# Altium PCB PCB.PcbDoc (part 2 of 2)
Units mil, origin at the board's own origin, x right, y up, seen from the top; angles counter-clockwise.
Board outline 4409.45 x 6259.84 mil, 2 copper layers (Top Layer, Bottom Layer), stack 65.792 mil thick; 158 components, 111 nets, 528 pads, 234 vias.
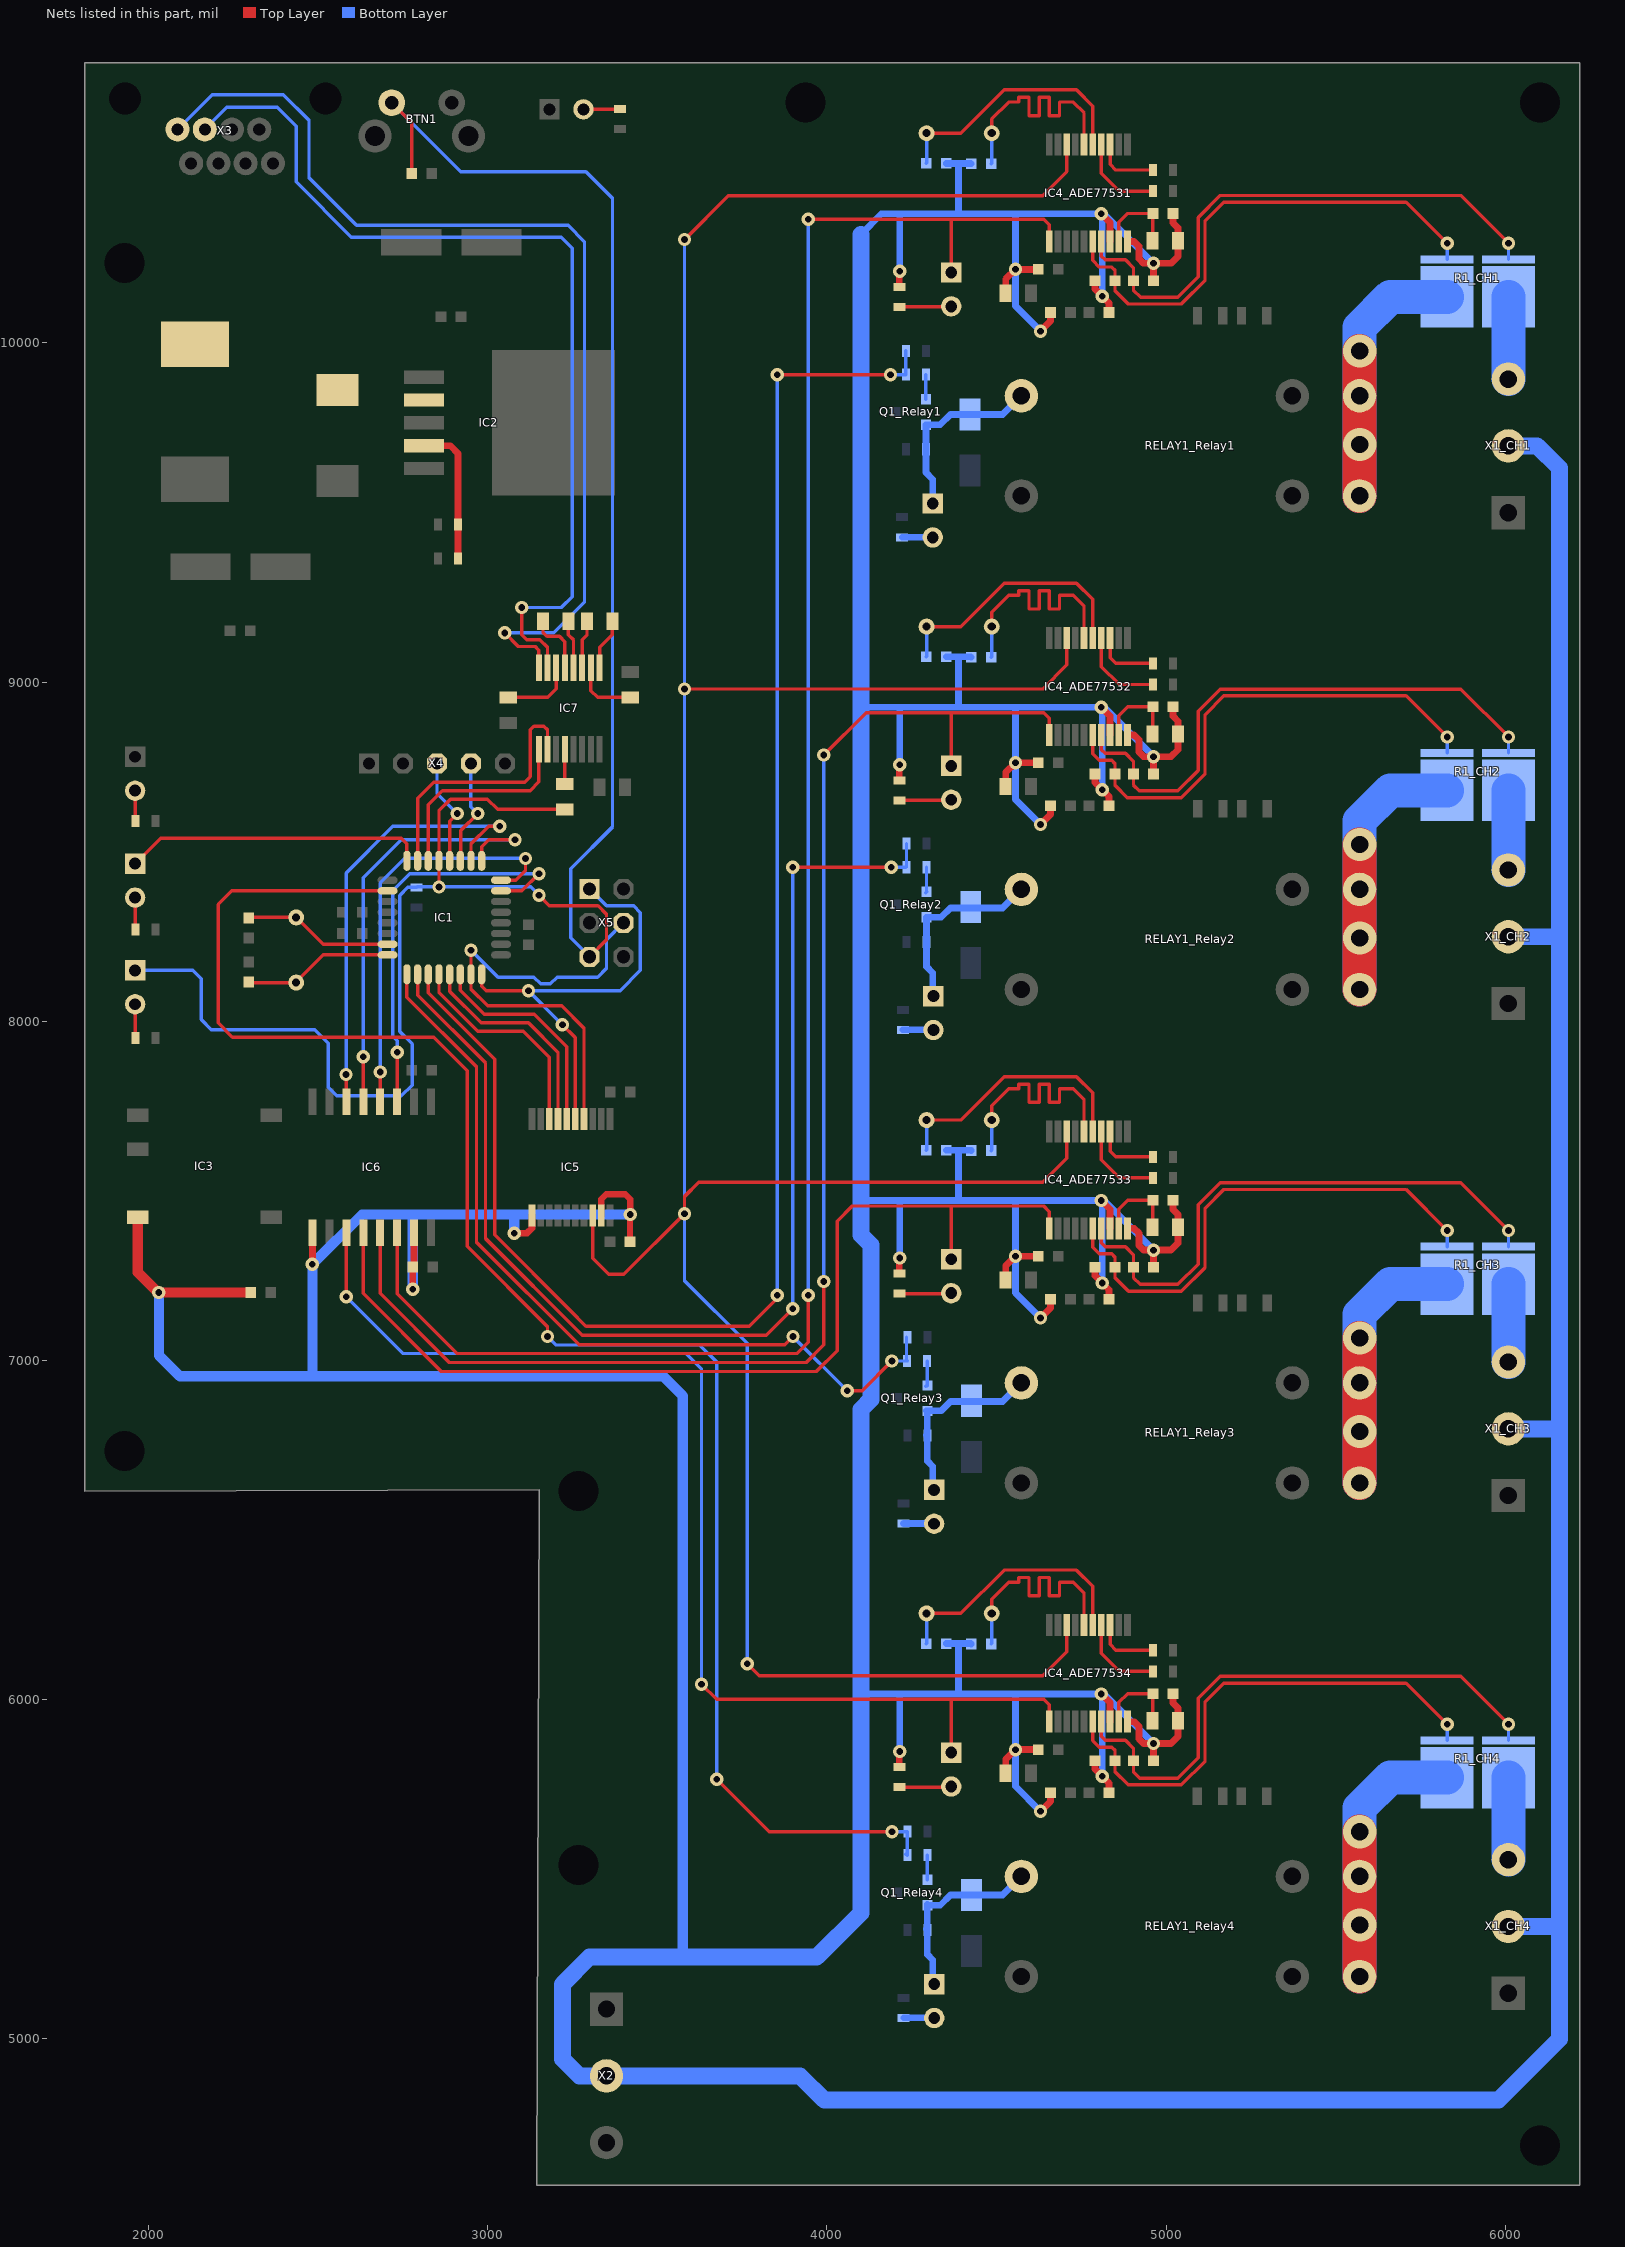
[diagram p2: the nets of this part, all layers, seen from the top]

## Via types
v1: diameter 39.37, hole 19.68, Top Layer to Bottom Layer, 106 vias
v2: diameter 98.43, hole 51.18, Top Layer to Bottom Layer, 75 vias
v3: diameter 39.37, hole 19.68, Top Layer to Bottom Layer, tented both sides, 50 vias
v4: diameter 78.74, hole 39.37, Top Layer to Bottom Layer, 3 vias

## Nets (pads, with @x,y where several pads share a name; then routed paths per layer and width w, separated by ;. In a path a pad name is that pad's centre, name@x,y a point inside that pad or via, vN(x,y) a via of type N, cw(c..) or ccw(c..) an arc to the next point about the centre after c; other vN are vias at no path point) (continued)
MI: IC1.16 IC5.5 X5.1 | length 1318.1
  Top Layer w10: IC1.16@2981.93,8138.37 2981.93,8103.07 2995,8090 v1(3120,8090) ; v1(3220,7990) 3258.02,7951.98 IC5.5@3258.02,7711.94
  Bottom Layer w10: v1(3220,7990) v1(3120,8090) 3390,8090 3450,8150 3450,8320.47 3430.47,8340 3350,8340 X5.1@3300,8390
MO: IC1.15 IC5.4 X5.4 | length 1377.5
  Top Layer w10: v1(2950.43,8209.57) IC1.15@2950.43,8138.37 2950.43,8094.57 3000,8045 3218.02,8045 3283.61,7979.41 IC5.4@3283.61,7711.94
  Bottom Layer w10: v1(2950.43,8209.57) 3030,8130 3135.85,8130 3155.62,8110.24 3184.6,8110.24 3204.36,8130 3323.58,8130 3350,8156.42 3350,8240 X5.4@3400,8290
MSS: IC1.14 IC5.6 | length 642.3
  Top Layer w10: IC1.14@2918.94,8138.37 2918.94,8091.06 2990,8020 3136.83,8020 3232.43,7924.41 IC5.6@3232.43,7711.94
NetC12_ADE77531_1: C12_ADE77531.1 C13_ADE77531.1 IC4_ADE77531.9 | length 248.8
  Top Layer w10: IC4_ADE77531.9@4860.57,10299.28 4860.57,10356.09 4886.47,10382 C12_ADE77531.1@4961.47,10382 4960.6,10381.13 C13_ADE77531.1@4960.6,10302
NetC12_ADE77532_1: C12_ADE77532.1 C13_ADE77532.1 IC4_ADE77532.9 | length 248.8
  Top Layer w10: IC4_ADE77532.9@4860.57,8844.28 4860.57,8901.09 4886.47,8927 C12_ADE77532.1@4961.47,8927 4960.6,8926.13 C13_ADE77532.1@4960.6,8847
NetC12_ADE77533_1: C12_ADE77533.1 C13_ADE77533.1 IC4_ADE77533.9 | length 248.8
  Top Layer w10: IC4_ADE77533.9@4860.57,7389.28 4860.57,7446.09 4886.47,7472 C12_ADE77533.1@4961.47,7472 4960.6,7471.13 C13_ADE77533.1@4960.6,7392
NetC12_ADE77534_1: C12_ADE77534.1 C13_ADE77534.1 IC4_ADE77534.9 | length 248.8
  Top Layer w10: IC4_ADE77534.9@4860.57,5934.28 4860.57,5991.09 4886.47,6017 C12_ADE77534.1@4961.47,6017 4960.6,6016.13 C13_ADE77534.1@4960.6,5937
NetC14_ADE77531_2: C14_ADE77531.2 IC4_ADE77531.15 Z2_ADE77531.2 | length 766.2
  Top Layer w10: Z2_ADE77531.2@4293.94,10618.53 4395,10618.53 4523,10746.53 4736,10746.53 4783.8,10698.73 IC4_ADE77531.15@4783.8,10584.72
  Bottom Layer w10: C14_ADE77531.2@4292.55,10529.61 4293.94,10531 Z2_ADE77531.2@4293.94,10618.53
NetC14_ADE77532_2: C14_ADE77532.2 IC4_ADE77532.15 Z2_ADE77532.2 | length 766.2
  Top Layer w10: Z2_ADE77532.2@4293.94,9163.53 4395,9163.53 4523,9291.53 4736,9291.53 4783.8,9243.73 IC4_ADE77532.15@4783.8,9129.72
  Bottom Layer w10: C14_ADE77532.2@4292.55,9074.61 4293.94,9076 Z2_ADE77532.2@4293.94,9163.53
NetC14_ADE77533_2: C14_ADE77533.2 IC4_ADE77533.15 Z2_ADE77533.2 | length 766.2
  Top Layer w10: Z2_ADE77533.2@4293.94,7708.53 4395,7708.53 4523,7836.53 4736,7836.53 4783.8,7788.73 IC4_ADE77533.15@4783.8,7674.72
  Bottom Layer w10: C14_ADE77533.2@4292.55,7619.61 4293.94,7621 Z2_ADE77533.2@4293.94,7708.53
NetC14_ADE77534_2: C14_ADE77534.2 IC4_ADE77534.15 Z2_ADE77534.2 | length 766.2
  Top Layer w10: Z2_ADE77534.2@4293.94,6253.53 4395,6253.53 4523,6381.53 4736,6381.53 4783.8,6333.73 IC4_ADE77534.15@4783.8,6219.72
  Bottom Layer w10: C14_ADE77534.2@4292.55,6164.61 4293.94,6166 Z2_ADE77534.2@4293.94,6253.53
NetC15_ADE77531_2: C15_ADE77531.2 IC4_ADE77531.16 Z2_ADE77531.1 | length 748.5
  Top Layer w10: Z2_ADE77531.1@4486.06,10618.53 4486.06,10660.59 4536,10710.53 4551,10710.53 4566,10710.53 4566,10724.53 4596,10724.53 4596,10710.53 4596,10670.53 4626,10670.53 4626,10710.53 4626,10724.53 4656,10724.53 4656,10710.53 4656,10670.53 4686,10670.53 4686,10710.53 4703,10710.53 4726,10710.53 4758.2,10678.32 IC4_ADE77531.16@4758.2,10584.72
  Bottom Layer w10: C15_ADE77531.2@4484.53,10528.53 4486.06,10530.06 Z2_ADE77531.1@4486.06,10618.53
NetC15_ADE77532_2: C15_ADE77532.2 IC4_ADE77532.16 Z2_ADE77532.1 | length 748.5
  Top Layer w10: Z2_ADE77532.1@4486.06,9163.53 4486.06,9205.59 4536,9255.53 4551,9255.53 4566,9255.53 4566,9269.53 4596,9269.53 4596,9255.53 4596,9215.53 4626,9215.53 4626,9255.53 4626,9269.53 4656,9269.53 4656,9255.53 4656,9215.53 4686,9215.53 4686,9255.53 4703,9255.53 4726,9255.53 4758.2,9223.32 IC4_ADE77532.16@4758.2,9129.72
  Bottom Layer w10: C15_ADE77532.2@4484.53,9073.53 4486.06,9075.06 Z2_ADE77532.1@4486.06,9163.53
NetC15_ADE77533_2: C15_ADE77533.2 IC4_ADE77533.16 Z2_ADE77533.1 | length 748.5
  Top Layer w10: Z2_ADE77533.1@4486.06,7708.53 4486.06,7750.59 4536,7800.53 4551,7800.53 4566,7800.53 4566,7814.53 4596,7814.53 4596,7800.53 4596,7760.53 4626,7760.53 4626,7800.53 4626,7814.53 4656,7814.53 4656,7800.53 4656,7760.53 4686,7760.53 4686,7800.53 4703,7800.53 4726,7800.53 4758.2,7768.32 IC4_ADE77533.16@4758.2,7674.72
  Bottom Layer w10: C15_ADE77533.2@4484.53,7618.53 4486.06,7620.06 Z2_ADE77533.1@4486.06,7708.53
NetC15_ADE77534_2: C15_ADE77534.2 IC4_ADE77534.16 Z2_ADE77534.1 | length 748.5
  Top Layer w10: Z2_ADE77534.1@4486.06,6253.53 4486.06,6295.59 4536,6345.53 4551,6345.53 4566,6345.53 4566,6359.53 4596,6359.53 4596,6345.53 4596,6305.53 4626,6305.53 4626,6345.53 4626,6359.53 4656,6359.53 4656,6345.53 4656,6305.53 4686,6305.53 4686,6345.53 4703,6345.53 4726,6345.53 4758.2,6313.32 IC4_ADE77534.16@4758.2,6219.72
  Bottom Layer w10: C15_ADE77534.2@4484.53,6163.53 4486.06,6165.06 Z2_ADE77534.1@4486.06,6253.53
NetC26_1: C26.1 IC7.3 | length 142.7
  Top Layer w10: IC7.3@3278.43,9042.3 3278.43,9125.43 3292.65,9139.65 C26.1@3292.65,9179.11
NetC26_2: C26.2 IC7.1 | length 152.5
  Top Layer w10: IC7.1@3329.61,9042.3 3329.61,9102.27 3367.45,9140.1 C26.2@3367.45,9179.11
NetC27_2: C27.2 IC7.2 | length 191.7
  Top Layer w10: IC7.2@3304.02,9042.3 3304.02,8974.98 3324.18,8954.82 C27.2@3420.05,8954.82
NetC28_1: C28.1 IC7.5 | length 185.2
  Top Layer w10: C28.1@3162.65,9179.11 3162.65,9146.82 3174.46,9135 3211.45,9135 3227.25,9119.2 IC7.5@3227.25,9042.3
NetC28_2: C28.2 IC7.4 | length 143.2
  Top Layer w10: C28.2@3237.45,9179.11 3237.45,9139.55 3252.84,9124.16 IC7.4@3252.84,9042.3
NetC30_1: C30.1 IC7.12 | length 102.5
  Top Layer w10: C30.1@3227.25,8699.62 IC7.12@3227.25,8802.14
NetC31_2: C31.2 IC7.6 | length 214.4
  Top Layer w10: C31.2@3060.05,8954.82 3176.54,8954.82 3201.66,8979.94 IC7.6@3201.66,9042.3
NetD1_2: D1.2 R4.1 | length 90
  Top Layer w10: D1.2@1960,8679.8 1960,8590.47 R4.1@1960.47,8590
NetD2_2: D2.2 R5.1 | length 100.2
  Top Layer w10: D2.2@1960,8050 1960,7950.47 R5.1@1960.47,7950
NetD3_2: D3.2 R6.1 | length 94.7
  Top Layer w10: D3.2@1960,8364.53 1960,8270.47 R6.1@1960.47,8270
NetD4_2: D4.2 R9.1 | length 108.2
  Top Layer w10: D4.2@3282.02,10688.98 3389.46,10688.98 R9.1@3390,10689.53
NetD6_ADE77531_2: D6_ADE77531.2 R15_ADE77531.1 | length 153.6
  Top Layer w10: R15_ADE77531.1@4213.47,10106.47 4364.94,10106.47 D6_ADE77531.2@4366.47,10108
NetD6_ADE77532_2: D6_ADE77532.2 R15_ADE77532.1 | length 153.6
  Top Layer w10: R15_ADE77532.1@4213.47,8651.47 4364.94,8651.47 D6_ADE77532.2@4366.47,8653
NetD6_ADE77533_2: D6_ADE77533.2 R15_ADE77533.1 | length 153.6
  Top Layer w10: R15_ADE77533.1@4213.47,7196.47 4364.94,7196.47 D6_ADE77533.2@4366.47,7198
NetD6_ADE77534_2: D6_ADE77534.2 R15_ADE77534.1 | length 153.6
  Top Layer w10: R15_ADE77534.1@4213.47,5741.47 4364.94,5741.47 D6_ADE77534.2@4366.47,5743
NetD7_Relay1_1: D7_Relay1.1 D8_Relay1.2 Q1_Relay1.2 R18_Relay1.1 RELAY1_Relay1.5 | length 557.4
  Bottom Layer w20: D7_Relay1.1@4312.08,9526.64 4312.08,9597.92 4291.92,9618.08 R18_Relay1.1@4291.92,9686.64 4292.08,9686.8 Q1_Relay1.2@4292.08,9759.14 4334.14,9759.14 4364.31,9789.31 D8_Relay1.2@4422.08,9789.31 4518.3,9789.31 RELAY1_Relay1.5@4573.26,9844.28
NetD7_Relay1_2: D7_Relay1.2 R19_Relay1.2 | length 90.2
  Bottom Layer w10: D7_Relay1.2@4311.61,9427.11 D7_Relay1.2@4312.08,9426.64
  Bottom Layer w20: R19_Relay1.2@4222.08,9427.11 D7_Relay1.2@4311.61,9427.11
NetD7_Relay2_1: D7_Relay2.1 D8_Relay2.2 Q1_Relay2.2 R18_Relay2.1 RELAY1_Relay2.5 | length 556.3
  Bottom Layer w20: D7_Relay2.1@4312.08,8071.25 4312.08,8142.53 4293.84,8160.77 R18_Relay2.1@4293.84,8234 4294,8234.16 Q1_Relay2.2@4294,8306.5 4336.89,8306.5 4364.31,8333.93 4518.3,8333.93 RELAY1_Relay2.5@4573.26,8388.89
NetD7_Relay2_2: D7_Relay2.2 R19_Relay2.2 | length 90.2
  Bottom Layer w20: R19_Relay2.2@4224,7974.47 4313.53,7974.47 D7_Relay2.2@4314,7974
NetD7_Relay3_1: D7_Relay3.1 D8_Relay3.2 Q1_Relay3.2 R18_Relay3.1 RELAY1_Relay3.5 | length 555
  Bottom Layer w20: R18_Relay3.1@4293.84,6778.61 R18_Relay3.1@4294,6778.77 ; Q1_Relay3.2@4294,6851.11 4336.89,6851.11 4364.31,6878.54 4518.3,6878.54 RELAY1_Relay3.5@4573.26,6933.5 ; Q1_Relay3.2@4296.13,6850.5 4295.97,6850.34 R18_Relay3.1@4295.97,6778 4295.97,6703.25 4312.08,6687.14 D7_Relay3.1@4312.08,6615.86
NetD7_Relay3_2: D7_Relay3.2 R19_Relay3.2 | length 90.9
  Bottom Layer w20: R19_Relay3.2@4226.13,6518.47 4315.65,6518.47 D7_Relay3.2@4316.13,6518 ; D7_Relay3.2@4313.53,6519.08 D7_Relay3.2@4314,6518.61
NetD7_Relay4_1: D7_Relay4.1 D8_Relay4.2 Q1_Relay4.2 R18_Relay4.1 RELAY1_Relay4.5 | length 553.6
  Bottom Layer w20: R18_Relay4.1@4293.84,5323.22 R18_Relay4.1@4294,5323.38 ; Q1_Relay4.2@4296.13,5395.11 4295.97,5394.95 4295.97,5392.97 4295.97,5247.87 4312.08,5231.76 D7_Relay4.1@4312.08,5160.47 ; Q1_Relay4.2@4296.53,5392.97 4334.14,5392.97 4364.31,5423.15 4518.3,5423.15 RELAY1_Relay4.5@4573.26,5478.11
NetD7_Relay4_2: D7_Relay4.2 R19_Relay4.2 | length 91.5
  Bottom Layer w20: R19_Relay4.2@4226.53,5060.94 4316.06,5060.94 D7_Relay4.2@4316.53,5060.47 ; D7_Relay4.2@4313.53,5063.7 D7_Relay4.2@4314,5063.22 ; D7_Relay4.2@4315.65,5063.08 D7_Relay4.2@4316.13,5062.61
NetIC2_2: IC2.2 L1.1 VD1.C
NetIC2_4: IC2.4 R10.1 R11.2 | length 419.9
  Top Layer w20: IC2.4@2811.48,9697.14 2889.28,9697.14 2911.95,9674.46 2911.95,9464.46 R11.2@2911.95,9364.46
NetIC4_ADE77531_13: IC4_ADE77531.13 R13_ADE77531.1 | length 191.2
  Top Layer w10: IC4_ADE77531.13@4834.98,10584.72 4834.98,10527.02 4852,10510 R13_ADE77531.1@4961.47,10510
NetIC4_ADE77531_14: IC4_ADE77531.14 R14_ADE77531.1 | length 257.9
  Top Layer w10: IC4_ADE77531.14@4809.39,10584.72 4809.39,10500.76 4862.14,10448 R14_ADE77531.1@4961.47,10448
NetIC4_ADE77532_13: IC4_ADE77532.13 R13_ADE77532.1 | length 191.2
  Top Layer w10: IC4_ADE77532.13@4834.98,9129.72 4834.98,9072.02 4852,9055 R13_ADE77532.1@4961.47,9055
NetIC4_ADE77532_14: IC4_ADE77532.14 R14_ADE77532.1 | length 257.9
  Top Layer w10: IC4_ADE77532.14@4809.39,9129.72 4809.39,9045.76 4862.14,8993 R14_ADE77532.1@4961.47,8993
NetIC4_ADE77533_13: IC4_ADE77533.13 R13_ADE77533.1 | length 191.2
  Top Layer w10: IC4_ADE77533.13@4834.98,7674.72 4834.98,7617.02 4852,7600 R13_ADE77533.1@4961.47,7600
NetIC4_ADE77533_14: IC4_ADE77533.14 R14_ADE77533.1 | length 257.9
  Top Layer w10: IC4_ADE77533.14@4809.39,7674.72 4809.39,7590.76 4862.14,7538 R14_ADE77533.1@4961.47,7538
NetIC4_ADE77534_13: IC4_ADE77534.13 R13_ADE77534.1 | length 191.2
  Top Layer w10: IC4_ADE77534.13@4834.98,6219.72 4834.98,6162.02 4852,6145 R13_ADE77534.1@4961.47,6145
NetIC4_ADE77534_14: IC4_ADE77534.14 R14_ADE77534.1 | length 257.9
  Top Layer w10: IC4_ADE77534.14@4809.39,6219.72 4809.39,6135.76 4862.14,6083 R14_ADE77534.1@4961.47,6083
NetQ1_Relay1_1: Q1_Relay1.1 R16_Relay1.1 | length 72.7
  Bottom Layer w10: R16_Relay1.1@4291.61,9906.64 4291.61,9834.61 Q1_Relay1.1@4292.08,9834.14
NetQ1_Relay2_1: Q1_Relay2.1 R16_Relay2.1 | length 73.4
  Bottom Layer w10: Q1_Relay2.1@4291.61,8379.22 Q1_Relay2.1@4292.08,8378.75 ; R16_Relay2.1@4293.53,8454 4293.53,8381.97 Q1_Relay2.1@4294,8381.5
NetQ1_Relay3_1: Q1_Relay3.1 R16_Relay3.1 | length 74
  Bottom Layer w10: Q1_Relay3.1@4291.61,6923.83 Q1_Relay3.1@4292.08,6923.36 ; Q1_Relay3.1@4293.53,6926.58 Q1_Relay3.1@4294,6926.11 ; R16_Relay3.1@4295.65,6998 4295.65,6925.97 Q1_Relay3.1@4296.13,6925.5
NetQ1_Relay4_1: Q1_Relay4.1 R16_Relay4.1 | length 72.7
  Bottom Layer w10: R16_Relay4.1@4296.06,5540.47 4296.06,5468.44 Q1_Relay4.1@4296.53,5467.97
NetR1_CH1_1: R1_CH1.1 RELAY1_Relay1.1 RELAY1_Relay1.2 | length 1219.7
  Top Layer w100: RELAY1_Relay1.2@5570.9,9549 v2(5570.9,9700.81) RELAY1_Relay1.1@5570.9,9844.28 v2(5570.9,9976.4)
  Bottom Layer w100: RELAY1_Relay1.2@5570.9,9549 RELAY1_Relay1.1@5570.9,9844.28 5570.9,10045.9 5661.17,10136.17 R1_CH1.1@5828.9,10136.17
NetR1_CH1_2: R1_CH1.2 X1_CH1.3 | length 242.9
  Bottom Layer w50: X1_CH1.3@6009.45,9893.49 X1_CH1.3@6010,9894.04
  Bottom Layer w100: X1_CH1.3@6010,9894.04 R1_CH1.2@6010,10136.17
NetR1_CH2_1: R1_CH2.1 RELAY1_Relay2.1 RELAY1_Relay2.2 | length 1219.7
  Top Layer w100: RELAY1_Relay2.2@5570.9,8093.61 v2(5570.9,8245.42) RELAY1_Relay2.1@5570.9,8388.89 v2(5570.9,8521.01)
  Bottom Layer w100: RELAY1_Relay2.2@5570.9,8093.61 RELAY1_Relay2.1@5570.9,8388.89 5570.9,8590.51 5661.17,8680.78 R1_CH2.1@5828.9,8680.78
NetR1_CH2_2: R1_CH2.2 X1_CH2.3 | length 234.9
  Bottom Layer w100: X1_CH2.3@6009.45,8445.85 6010,8446.4 R1_CH2.2@6010,8680.53
NetR1_CH3_1: R1_CH3.1 RELAY1_Relay3.1 RELAY1_Relay3.2 | length 1219.7
  Top Layer w100: RELAY1_Relay3.2@5570.9,6638.22 v2(5570.9,6790.03) RELAY1_Relay3.1@5570.9,6933.5 v2(5570.9,7065.62)
  Bottom Layer w100: RELAY1_Relay3.2@5570.9,6638.22 RELAY1_Relay3.1@5570.9,6933.5 5570.9,7135.12 5661.17,7225.4 R1_CH3.1@5828.9,7225.4
NetR1_CH3_2: R1_CH3.2 X1_CH3.3 | length 230.3
  Bottom Layer w100: X1_CH3.3@6009.45,6994.85 6010,6995.4 R1_CH3.2@6010,7224.89
NetR1_CH4_1: R1_CH4.1 RELAY1_Relay4.1 RELAY1_Relay4.2 | length 1219.7
  Top Layer w100: RELAY1_Relay4.2@5570.9,5182.83 v2(5570.9,5334.65) RELAY1_Relay4.1@5570.9,5478.11 v2(5570.9,5610.24)
  Bottom Layer w100: RELAY1_Relay4.2@5570.9,5182.83 v2(5570.9,5334.65) RELAY1_Relay4.1@5570.9,5478.11 v2(5570.9,5610.24) 5570.9,5679.73 5661.17,5770.01 R1_CH4.1@5828.9,5770.01
NetR1_CH4_2: R1_CH4.2 X1_CH4.3 | length 242.2
  Bottom Layer w100: X1_CH4.3@6009.45,5527.32 6010,5527.87 R1_CH4.2@6010,5769.25
PGND: C11.1 C12_ADE77531.2 C12_ADE77532.2 C12_ADE77533.2 C12_ADE77534.2 C13_ADE77531.2 C13_ADE77532.2 C13_ADE77533.2 C13_ADE77534.2 C14_ADE77531.1 C14_ADE77532.1 C14_ADE77533.1 C14_ADE77534.1 C15_ADE77531.1 C15_ADE77532.1 C15_ADE77533.1 C15_ADE77534.1 C16_ADE77531.1 C16_ADE77532.1 C16_ADE77533.1 C16_ADE77534.1 C17_ADE77531.1 C17_ADE77532.1 C17_ADE77533.1 C17_ADE77534.1 C18_ADE77531.1 C18_ADE77532.1 C18_ADE77533.1 C18_ADE77534.1 C19_ADE77531.1 C19_ADE77532.1 C19_ADE77533.1 C19_ADE77534.1 C20_ADE77531.1 C20_ADE77532.1 C20_ADE77533.1 C20_ADE77534.1 C21_ADE77531.1 C21_ADE77532.1 C21_ADE77533.1 C21_ADE77534.1 C22.1 C25.1 IC3.4 IC4_ADE77531.8 IC4_ADE77531.10 IC4_ADE77532.8 IC4_ADE77532.10 IC4_ADE77533.8 IC4_ADE77533.10 IC4_ADE77534.8 IC4_ADE77534.10 IC5.11 IC5.19 IC6.9 IC6.15 R15_ADE77531.2 R15_ADE77532.2 R15_ADE77533.2 R15_ADE77534.2 X1_CH1.2 X1_CH2.2 X1_CH3.2 X1_CH4.2 X2.2 | length 31884.5
  Top Layer w19: IC5.19@3334.79,7426.5 3334.79,7474.79 3349.53,7489.53 3405.47,7489.53 3420.22,7474.78 v1(3420.22,7430) 3419.22,7429 C22.1@3419.22,7349.22
  Top Layer w20: v1(2482.69,7283.23) IC6.9@2482.69,7376.22 ; v1(2778.47,7210) C25.1@2778.47,7275 2782.69,7279.22 IC6.15@2782.69,7376.22 ; v1(3078.02,7375) 3115.68,7375 3130.06,7389.38 IC5.11@3130.06,7426.5 ; R15_ADE77534.2@4213.47,5800.53 4213.47,5845 v1(4215,5846.53) ; R15_ADE77533.2@4213.47,7255.53 4213.47,7300 v1(4215,7301.53) ; R15_ADE77532.2@4213.47,8710.53 4213.47,8755 v1(4215,8756.53) ; R15_ADE77531.2@4213.47,10165.53 4213.47,10210 v1(4215,10211.53) ; C16_ADE77534.1@4527.07,5782 4527.07,5823.07 v1(4556,5852) C17_ADE77534.1@4622.94,5852 ; C16_ADE77533.1@4527.07,7237 4527.07,7278.07 v3(4556,7307) C17_ADE77533.1@4622.94,7307 ; C16_ADE77532.1@4527.07,8692 4527.07,8733.07 v3(4556,8762) C17_ADE77532.1@4622.94,8762 ; C16_ADE77531.1@4527.07,10147 4527.07,10188.07 v3(4556,10217) C17_ADE77531.1@4622.94,10217 ; v3(4630,5670) 4659.47,5699.47 C21_ADE77534.1@4659.47,5725 ; v3(4630,7125) 4659.47,7154.47 C21_ADE77533.1@4659.47,7180 ; v3(4630,8580) 4659.47,8609.47 C21_ADE77532.1@4659.47,8635 ; v3(4630,10035) 4659.47,10064.47 C21_ADE77531.1@4659.47,10090 ; C19_ADE77534.1@4790.47,5819 4790.47,5794.53 v3(4812,5773) 4832,5753 C20_ADE77534.1@4832,5725 ; C19_ADE77533.1@4790.47,7274 4790.47,7249.53 v3(4812,7228) 4832,7208 C20_ADE77533.1@4832,7180 ; C19_ADE77532.1@4790.47,8729 4790.47,8704.53 v3(4812,8683) 4832,8663 C20_ADE77532.1@4832,8635 ; C19_ADE77531.1@4790.47,10184 4790.47,10159.53 v3(4812,10138) 4832,10118 C20_ADE77531.1@4832,10090 ; v1(4809.39,6016.13) 4834.98,5990.54 IC4_ADE77534.8@4834.98,5934.28 ; v1(4809.39,7471.13) 4834.98,7445.54 IC4_ADE77533.8@4834.98,7389.28 ; v1(4809.39,8926.13) 4834.98,8900.54 IC4_ADE77532.8@4834.98,8844.28 ; v1(4809.39,10381.13) 4834.98,10355.54 IC4_ADE77531.8@4834.98,10299.28 ; IC4_ADE77534.10@4886.16,5934.28 4905.72,5934.28 4920,5920 4920,5883.68 4933.68,5870 v1(4963,5870) ; IC4_ADE77533.10@4886.16,7389.28 4905.72,7389.28 4920,7375 4920,7338.68 4933.68,7325 v1(4963,7325) ; IC4_ADE77532.10@4886.16,8844.28 4905.72,8844.28 4920,8830 4920,8793.68 4933.68,8780 v1(4963,8780) ; IC4_ADE77531.10@4886.16,10299.28 4905.72,10299.28 4920,10285 4920,10248.68 4933.68,10235 v1(4963,10235) ; C18_ADE77534.1@4963,5819 v1(4963,5870) ; C18_ADE77533.1@4963,7274 v1(4963,7325) ; C18_ADE77532.1@4963,8729 v1(4963,8780) ; C18_ADE77531.1@4963,10184 v1(4963,10235) ; C12_ADE77534.2@5020.53,6017 5020.53,5989.47 5035.4,5974.6 C13_ADE77534.2@5035.4,5937 5035.4,5890.4 5015,5870 v1(4963,5870) ; C12_ADE77533.2@5020.53,7472 5020.53,7444.47 5035.4,7429.6 C13_ADE77533.2@5035.4,7392 5035.4,7345.4 5015,7325 v1(4963,7325) ; C12_ADE77532.2@5020.53,8927 5020.53,8899.47 5035.4,8884.6 C13_ADE77532.2@5035.4,8847 5035.4,8800.4 5015,8780 v1(4963,8780) ; C12_ADE77531.2@5020.53,10382 5020.53,10354.47 5035.4,10339.6 C13_ADE77531.2@5035.4,10302 5035.4,10255.4 5015,10235 v1(4963,10235)
  Top Layer w30: IC3.4@1967.67,7422.22 1967.67,7259.59 2027.04,7200.22 2282.99,7200.22
  Bottom Layer w20: 4087.61,7471.13 4100.53,7471.13 4215,7471.13 ; 4087.61,8926.13 4100.53,8926.13 4215,8926.13 ; 4100,6015 4101.13,6016.13 4215,6016.13 ; 4100,10320 4100.53,10320.53 4161.13,10381.13 4215,10381.13 ; v1(4215,5846.53) 4215,6016.13 ; v1(4215,7301.53) 4215,7471.13 ; v1(4215,8756.53) 4215,8926.13 ; v1(4215,10211.53) 4215,10381.13 ; C14_ADE77534.1@4351.61,6164.61 4388,6164.61 ; C14_ADE77533.1@4351.61,7619.61 4388,7619.61 ; C14_ADE77532.1@4351.61,9074.61 4388,9074.61 ; C14_ADE77531.1@4351.61,10529.61 4388,10529.61 ; C15_ADE77534.1@4425.47,6163.53 4424.39,6164.61 4388,6164.61 ; C15_ADE77533.1@4425.47,7618.53 4424.39,7619.61 4388,7619.61 ; C15_ADE77532.1@4425.47,9073.53 4424.39,9074.61 4388,9074.61 ; C15_ADE77531.1@4425.47,10528.53 4424.39,10529.61 4388,10529.61 ; v3(4630,5670) 4556,5744 v1(4556,5852) 4556,6016.13 ; v3(4630,7125) 4556,7199 v3(4556,7307) 4556,7471.13 ; v3(4630,8580) 4556,8654 v3(4556,8762) 4556,8926.13 ; v3(4630,10035) 4556,10109 v3(4556,10217) 4556,10381.13 ; v3(4812,5773) 4812,6013.51 v1(4809.39,6016.13) ; v3(4812,7228) 4812,7468.51 v1(4809.39,7471.13) ; v3(4812,8683) 4812,8923.51 v1(4809.39,8926.13) ; v3(4812,10138) 4812,10378.51 v1(4809.39,10381.13) ; v1(4963,5870) 4816.87,6016.13 v1(4809.39,6016.13) ; v1(4963,7325) 4816.87,7471.13 v1(4809.39,7471.13) ; v1(4963,8780) 4816.87,8926.13 v1(4809.39,8926.13) ; v1(4963,10235) 4816.87,10381.13 v1(4809.39,10381.13) ; 4215,6016.13 4388,6016.13 ; 4215,7471.13 4388,7471.13 ; 4215,8926.13 4388,8926.13 ; 4215,10381.13 4388,10381.13 ; 4388,6016.13 4388,6164.61 ; 4388,6016.13 4556,6016.13 ; 4388,7471.13 4388,7619.61 ; 4388,7471.13 4556,7471.13 ; 4388,8926.13 4388,9074.61 ; 4388,8926.13 4556,8926.13 ; 4388,10381.13 4556,10381.13 ; 4388,10381.13 4388,10529.61 ; 4556,6016.13 v1(4809.39,6016.13) ; 4556,7471.13 v1(4809.39,7471.13) ; 4556,8926.13 v1(4809.39,8926.13) ; 4556,10381.13 v1(4809.39,10381.13)
  Bottom Layer w30: v1(2030,7200) 2030,7015 2092.02,6952.98 2482.69,6952.98 ; v1(2778.47,7210) 2778.47,7428.47 2780,7430 ; v1(3078.02,7375) 3078.02,7428.02 3080,7430 ; v1(3420.22,7430) 3080,7430 ; 3575,5240 3575,6895 3517.02,6952.98 2482.69,6952.98 ; 2482.69,6952.98 v1(2482.69,7283.23) 2629.46,7430 2780,7430 ; 2780,7430 3080,7430
  Bottom Layer w50: 3920,4890 X2.2@3350,4890 3270,4890 3220,4940 3220,5160 3300,5240 3575,5240 3970,5240 4100,5370 4100,6015 4100,6855 4130,6885 4130,7340.53 4100.53,7370 4100.53,7471.13 4100.53,8926.13 4100.53,10320.53 ; 3921,4890 3992.1,4818.9 5980.3,4818.9 6160,4998.6 6160,5325 ; X1_CH4.2@6009.45,5330.47 6154.53,5330.47 6160,5325 ; X1_CH3.2@6009.45,6798 6157,6798 6160,6795 ; X1_CH2.2@6009.45,8249 6156,8249 6160,8245 ; X1_CH1.2@6009.45,9696.64 6094.7,9696.64 6160,9631.34 6160,8245 ; 6160,5325 6160,6795 ; 6160,6795 6160,8245
REL1: IC1.11 R16_Relay1.2 R17_Relay1.1 | length 4987.3
  Top Layer w10: IC1.11@2824.45,8138.37 2824.45,8083.46 3020,7887.91 3020,7370.32 3243.5,7146.81 3289.45,7100.86 3770.86,7100.86 v1@3850,7180 ; v1(3853.55,9906.64) v3(4187.64,9906.64)
  Bottom Layer w10: v1(3853.55,7192.26) v1(3853.55,9906.64) v1@3853.55,9906.95 ; v3(4187.64,9906.64) R16_Relay1.2@4232.55,9906.64 4232.87,9906.95 R17_Relay1.1@4232.87,9976.64
REL2: IC1.10 R16_Relay2.2 R17_Relay2.1 | length 3624.8
  Top Layer w10: IC1.10@2792.95,8138.37 2792.95,8077.05 2993.19,7876.81 2993.19,7359.21 3278.35,7074.05 3820.98,7074.05 v1(3899.14,7152.21) ; v1(3899.14,8454) v1(4189.56,8454)
  Bottom Layer w10: v1(3899.14,7152.21) v1(3899.14,8454) ; v1(4189.56,8454) 4232.87,8454 4234.79,8455.92 R17_Relay2.1@4234.79,8524
REL3: IC1.9 R16_Relay3.2 R17_Relay3.1 | length 2454.3
  Top Layer w10: IC1.9@2761.46,8138.37 2761.46,8071.06 2966.69,7865.83 2966.69,7348.23 3269.06,7045.86 3875.86,7045.86 v1(3900,7070) ; v1(4060,6910) 4103.69,6910 v1(4191.69,6998)
  Bottom Layer w10: v1(3900,7070) v1(4060,6910) ; v1(4191.69,6998) R16_Relay3.2@4236.6,6998 R16_Relay3.2@4236.91,6998.31 ; R16_Relay3.2@4232.87,6998.61 4234.79,7000.53 R17_Relay3.1@4234.79,7068.61
REL4: IC1.2 R16_Relay4.2 R17_Relay4.1 | length 4996.2
  Top Layer w10: IC1.2@2704.37,8384.43 2245.19,8384.43 2205,8344.24 2205,7995 2247,7953 2840.7,7953 2939.24,7854.46 2939.24,7336.41 3176.07,7099.58 v1(3176.07,7070) ; v1(3675,5765) 3829.84,5610.16 v1(4192.09,5610.16)
  Bottom Layer w10: v1@3176.44,7070.37 3201.81,7045 3625,7045 3675,6995 v1(3675,5765) ; v1(4192.09,5610.16) R17_Relay4.1@4237,5610.16 ; R16_Relay4.2@4232.87,5543.22 4237.31,5547.67 R17_Relay4.1@4237.31,5610.47 ; R16_Relay4.2@4236.6,5542.61 R16_Relay4.2@4236.91,5542.93 ; R16_Relay4.2@4237,5540.47 R16_Relay4.2@4237.31,5540.79
RES1: IC1.23 IC6.3 | length 1212.7
  Top Layer w10: IC6.3@2732.69,7762.05 v1(2732.69,7908.17) ; IC1.23@3039.02,8384.43 3100.63,8384.43 v1(3151,8434.8)
  Bottom Layer w10: v1(2732.69,7908.17) 2732.69,7942.31 2720,7955 2720,8385 2769.8,8434.8 v1(3151,8434.8)
RES2: IC1.24 IC6.4 | length 1223.5
  Top Layer w10: IC6.4@2682.69,7762.05 v1(2682.69,7850) ; IC1.24@3039.02,8415.93 3082.93,8415.93 3111,8444 v1(3111,8480)
  Bottom Layer w10: v1(2682.69,7850) 2682.69,8407.69 2755,8480 v1(3111,8480)
RES3: IC1.25 IC6.5 | length 1302.4
  Top Layer w10: IC6.5@2632.69,7762.05 2633,7762.35 v1(2633,7895) ; IC1.25@2981.93,8473.02 2981.93,8513.88 3003.05,8535 v1(3080,8535)
  Bottom Layer w10: v1(2633,7895) 2633,8422.39 2632.69,8422.69 2745,8535 v1(3080,8535)
RES4: IC1.26 IC6.6 | length 1341.4
  Top Layer w10: v1(2582,7843) 2582,7762.74 IC6.6@2582.69,7762.05 ; IC1.26@2950.43,8473.02 2950.43,8522.8 3002.64,8575 v1(3035,8575)
  Bottom Layer w10: v1(2582,7843) 2582,8437 2720,8575 v1(3035,8575)
RESET: BTN1.2 C4.2 C30.2 D2.1 IC1.29 R7.2 X5.5 | length 6439.6
  Top Layer w10: BTN1.2@2716.54,10708.66 2775.47,10649.72 C4.2@2775.47,10500 ; v1(2855.94,8395.94) IC1.29@2855.94,8473.02 2855.94,8620.94 2890,8655 2998.5,8655 3028.69,8624.82 C30.2@3227.25,8624.82 ; v1(3151,8371) 3181,8341 3325,8341 3350,8316 3350,8240 X5.5@3300,8190
  Bottom Layer w10: D2.1@1960,8150 2130,8150 2155,8125 2155,8005 2185,7975 2490,7975 2530,7935 2530,7805 2555,7780 2745,7780 2776.68,7811.68 2776.68,7932.85 2739.89,7969.63 2739.89,8370.7 2763.72,8394.53 R7.2@2790,8394.53 2791.42,8395.94 v1(2855.94,8395.94) 3126.06,8395.94 v1(3151,8371) ; BTN1.2@2716.54,10708.66 2919.7,10505.5 3289.51,10505.5 3367.75,10427.25 3367.75,8572.75 3244,8449 3244,8246 X5.5@3300,8190
RESET1: D6_ADE77531.1 IC4_ADE77531.1 IC6.14 | length 5714.3
  Top Layer w10: IC6.14@2732.69,7376.22 2732.69,7196.81 2909.51,7020 3911.53,7020 3945,7053.47 v1(3945,7192.26) ; v1(3945,10365) 4366.47,10365 ; D6_ADE77531.1@4366.47,10208 4366.47,10365 ; IC4_ADE77531.1@4655.84,10299.28 4655.84,10348.69 4639.53,10365 4366.47,10365
  Bottom Layer w10: v1(3945,7192.26) v1(3945,10365)
RESET2: D6_ADE77532.1 IC4_ADE77532.1 IC6.13 | length 4262.2
  Top Layer w10: IC6.13@2682.69,7376.22 2682.69,7197.31 2886.5,6993.5 3938.5,6993.5 3990.86,7045.86 v1(3990.86,7232.3) ; v1(3990.86,8785) 4115.86,8910 4366.47,8910 ; D6_ADE77532.1@4366.47,8753 4366.47,8910 ; IC4_ADE77532.1@4655.84,8844.28 4655.84,8893.69 4639.53,8910 4366.47,8910
  Bottom Layer w10: v1(3990.86,7232.3) v1(3990.86,8785)
RESET3: D6_ADE77533.1 IC4_ADE77533.1 IC6.12 | length 2936.2
  Top Layer w10: IC6.12@2632.69,7376.22 2632.69,7197.31 2863.01,6966.99 3968.5,6966.99 4030,7028.5 4030,7410 4075,7455 4366.47,7455 ; D6_ADE77533.1@4366.47,7298 4366.47,7455 ; IC4_ADE77533.1@4655.84,7389.28 4655.84,7438.69 4639.53,7455 4366.47,7455
RESET4: D6_ADE77534.1 IC4_ADE77534.1 IC6.11 | length 3511.6
  Top Layer w10: v1(2582.69,7187.61) IC6.11@2582.69,7376.22 ; v1(3630,6045) 3675,6000 4366.47,6000 ; D6_ADE77534.1@4366.47,5843 4366.47,6000 ; IC4_ADE77534.1@4655.84,5934.28 4655.84,5983.69 4639.53,6000 4366.47,6000
  Bottom Layer w10: v1(2582.69,7187.61) 2750.31,7020 3585,7020 3630,6975 v1(3630,6045)
ROUT: IC1.30 IC7.9 | length 615.7
  Top Layer w10: IC1.30@2824.45,8473.02 2824.45,8638.15 2866.3,8680 3125,8680 3150.48,8705.48 IC7.9@3150.48,8802.14
RX: IC7.8 X3.1 | length 3030.9
  Top Layer w10: v1(3050,9145) 3090,9105 3140,9105 3150.48,9094.52 IC7.8@3150.48,9042.3
  Bottom Layer w10: X3.1@2085.04,10629.92 2187.61,10732.49 2396.65,10732.49 2472.72,10656.41 2472.72,10487.28 2612.81,10347.19 3236.7,10347.19 3285,10298.9 3285,9235 3195,9145 v1(3050,9145)
SCL: IC1.28 X4.3 | length 316.2
  Top Layer w10: IC1.28@2887.44,8473.02 2887.44,8589.8 v1(2910,8612.36)
  Bottom Layer w10: X4.3@2850,8755 2850,8672.36 v1(2910,8612.36)
SCLK: IC4_ADE77531.18 IC4_ADE77532.18 IC4_ADE77533.18 IC4_ADE77534.18 IC5.18 | length 9659.6
  Top Layer w10: IC5.18@3309.2,7426.5 3309.2,7300.97 3356.35,7253.82 3401.29,7253.82 v1(3580,7432.52) 3580,7483 3621.53,7524.53 4636,7524.53 4707.02,7595.55 IC4_ADE77533.18@4707.02,7674.72 ; v1(3580,8979.53) 4636,8979.53 4707.02,9050.55 IC4_ADE77532.18@4707.02,9129.72 ; v1(3580,10305) 3709.53,10434.53 4636,10434.53 4707.02,10505.55 IC4_ADE77531.18@4707.02,10584.72 ; v1@3765.24,6104.76 3800.47,6069.53 4636,6069.53 4707.02,6140.55 IC4_ADE77534.18@4707.02,6219.72
  Bottom Layer w10: v1(3580,10305) v1(3580,8979.53) v1(3580,7432.52) 3580,7235 3765,7050 v1(3765,6105)
SDA: IC1.27 X4.4 | length 311.4
  Top Layer w10: IC1.27@2918.94,8473.02 2920,8474.08 2920,8562.36 v1(2970,8612.36)
  Bottom Layer w10: X4.4@2950,8755 2950,8632.36 v1(2970,8612.36)
SS0: IC1.13 IC5.7 | length 640.7
  Top Layer w10: IC1.13@2887.44,8138.37 2887.44,8087.56 2980,7995 3120,7995 3206.83,7908.17 IC5.7@3206.83,7711.94
SS1: IC1.12 IC5.8 | length 639.8
  Top Layer w10: IC1.12@2855.94,8138.37 2855.94,8084.86 2970.8,7970 3105,7970 3181.24,7893.76 IC5.8@3181.24,7711.94
STATUS: D3.1 IC1.32 | length 890.1
  Top Layer w10: D3.1@1960,8464.53 2035.47,8540 2745,8540 2761.46,8523.54 IC1.32@2761.46,8473.02
TIN: IC1.31 IC7.10 | length 797.3
  Top Layer w10: IC1.31@2792.95,8473.02 2792.95,8657.2 2840.75,8705 3108.47,8705 3125,8721.53 3125,8858.93 3136.07,8870 3165,8870 3176.07,8858.93 IC7.10@3176.07,8802.14
TX: IC7.7 X3.3 | length 2799.8
  Top Layer w10: v1(3100,9220) 3100,9140.1 3115.1,9125 3153.31,9125 3176.07,9102.24 IC7.7@3176.07,9042.3
  Bottom Layer w10: X3.3@2165.35,10629.92 2230.43,10695 2378.66,10695 2435,10638.66 2435,10475 2597.81,10312.19 3216.17,10312.19 3248.99,10279.37 3248.99,9252.12 3216.87,9220 v1(3100,9220)
V2N_ADE77531: C19_ADE77531.2 IC4_ADE77531.6 R1_CH1.3 | length 1514.2
  Top Layer w10: IC4_ADE77531.6@4783.8,10299.28 4783.8,10243.68 4803.47,10224 4840.04,10224 4849.53,10214.51 C19_ADE77531.2@4849.53,10184 4849.53,10153.47 4888,10115 5045,10115 5115,10185 5115,10360 5170,10415 5707.8,10415 v1(5828.9,10293.9)
  Bottom Layer w10: R1_CH1.3@5828.9,10246.41 v1(5828.9,10293.9)
V2N_ADE77532: C19_ADE77532.2 IC4_ADE77532.6 R1_CH2.3 | length 1516.2
  Top Layer w10: IC4_ADE77532.6@4783.8,8844.28 4783.8,8788.68 4803.47,8769 4840.04,8769 4849.53,8759.51 C19_ADE77532.2@4849.53,8729 4849.53,8695.47 4885.64,8659.36 5045,8659.36 5115,8729.36 5115,8904.36 5170,8959.36 5707.8,8959.36 v1(5828.9,8838.26)
  Bottom Layer w10: R1_CH2.3@5828.9,8790.77 v1(5828.9,8838.26)
V2N_ADE77533: C19_ADE77533.2 IC4_ADE77533.6 R1_CH3.3 | length 1514.7
  Top Layer w10: IC4_ADE77533.6@4783.8,7389.28 4783.8,7333.68 4803.47,7314 4840.04,7314 4849.53,7304.51 C19_ADE77533.2@4849.53,7274 4849.53,7243.47 4889.28,7203.72 5045,7203.72 5115,7273.72 5115,7448.72 5170,7503.72 5707.8,7503.72 v1(5828.9,7382.62)
  Bottom Layer w10: R1_CH3.3@5828.9,7335.13 v1(5828.9,7382.62)
V2N_ADE77534: C19_ADE77534.2 IC4_ADE77534.6 R1_CH4.3 | length 1516.1
  Top Layer w10: IC4_ADE77534.6@4783.8,5934.28 4783.8,5878.68 4803.47,5859 4840.04,5859 4849.53,5849.51 C19_ADE77534.2@4849.53,5819 4849.53,5786.58 4888.03,5748.08 5045,5748.08 5115,5818.08 5115,5993.08 5170,6048.08 5707.8,6048.08 v1(5828.9,5926.98)
  Bottom Layer w10: R1_CH4.3@5828.9,5879.49 v1(5828.9,5926.98)
V2P_ADE77531: C18_ADE77531.2 IC4_ADE77531.7 R1_CH1.4 | length 1665
  Top Layer w10: IC4_ADE77531.7@4809.39,10299.28 4809.39,10256.09 4820.47,10245 4880.47,10245 4903.94,10221.53 C18_ADE77531.2@4903.94,10184 4903.94,10156.06 4925,10135 5035,10135 5095,10195 5095,10370 5160,10435 5868.9,10435 v1(6010,10293.9)
  Bottom Layer w10: R1_CH1.4@6010,10246.41 v1(6010,10293.9)
V2P_ADE77532: C18_ADE77532.2 IC4_ADE77532.7 R1_CH2.4 | length 1667.9
  Top Layer w10: IC4_ADE77532.7@4809.39,8844.28 4809.39,8801.09 4820.47,8790 4880.47,8790 4903.94,8766.53 C18_ADE77532.2@4903.94,8729 4903.94,8696.58 4921.17,8679.36 5035,8679.36 5095,8739.36 5095,8914.36 5160,8979.36 5868.9,8979.36 v1(6010,8838.26)
  Bottom Layer w10: R1_CH2.4@6010,8790.77 v1(6010,8838.26)
V2P_ADE77533: C18_ADE77533.2 IC4_ADE77533.7 R1_CH3.4 | length 1666.7
  Top Layer w10: IC4_ADE77533.7@4809.39,7389.28 4809.39,7346.09 4820.47,7335 4880.47,7335 4903.94,7311.53 C18_ADE77533.2@4903.94,7274 4903.94,7244.06 4924.28,7223.72 5035,7223.72 5095,7283.72 5095,7458.72 5160,7523.72 5868.9,7523.72 v1(6010,7382.62)
  Bottom Layer w10: R1_CH3.4@6010,7335.13 v1(6010,7382.62)
V2P_ADE77534: C18_ADE77534.2 IC4_ADE77534.7 R1_CH4.4 | length 1668.4
  Top Layer w10: IC4_ADE77534.7@4809.39,5934.28 4809.39,5891.09 4820.47,5880 4880.47,5880 4903.94,5856.53 C18_ADE77534.2@4903.94,5819 4903.94,5786.58 4922.45,5768.08 5035,5768.08 5095,5828.08 5095,6003.08 5160,6068.08 5868.9,6068.08 v1(6010,5926.98)
  Bottom Layer w10: R1_CH4.4@6010,5879.49 v1(6010,5926.98)
XTAL1: C5.1 IC1.7 Z1.2 | length 442.8
  Top Layer w10: C5.1@2295,8304.53 2296.54,8306.06 Z1.2@2435,8306.06 2514.11,8226.95 IC1.7@2704.37,8226.95
XTAL2: C6.1 IC1.8 Z1.1 | length 442.8
  Top Layer w10: C6.1@2295,8115.47 2296.54,8113.94 Z1.1@2435,8113.94 ; Z1.1@2435,8116.35 2514.11,8195.46 IC1.8@2704.37,8195.46
pads on no net: BTN1.0 IC1.1 IC1.19 IC1.20 IC1.22 IC3.8 IC4_ADE77531.11 IC4_ADE77531.12 IC4_ADE77532.11 IC4_ADE77532.12 IC4_ADE77533.11 IC4_ADE77533.12 IC4_ADE77534.11 IC4_ADE77534.12 IC5.9 IC6.7 IC7.11 IC7.13 IC7.14 X3.0 X3.5 X3.6 X3.8

## Polygon pours and split planes (outlines as drawn)
GND on Top Layer "Top Layer-GND" (solid, remove dead copper, pour order 0): 1818.9,10818.9 3562.99,10818.9 3562.99,7570 1818.9,7570
GND on Bottom Layer "Bottom Layer-GND" (solid, remove dead copper, pour order 2): 1818.9,10818.9 3562.99,10818.9 3562.99,7570 1818.9,7570

## Other copper
Top Layer:
  pour cut-out: 1870.08,10084.72 2396.13,10084.72 2396.13,9507.91 1870.08,9507.55
  pour cut-out: 2742.43,9879.46 2742.43,9649.46 2882.93,9649.46 2882.93,9879.46
  region net GND: 2812.66,9169.7 2765.61,9122.65 2282.42,9122.65 2282.43,9519.46 2422.42,9519.46 2422.43,9784.46 2757.43,9784.46 2757.43,9744.46 2702.43,9744.46 2702.43,9649.46 2883.94,9649.46 2883.94,9434.46 2812.66,9434.46
  region net 5V: 2256.52,9107.22 2385,9107.22 2385,8830 2036.52,8830 2036.52,9667.22 2236.99,9667.22 2236.99,9522.22 2256.52,9522.22
  region net NetIC2_2: 2032.43,10069.46 2032.43,9924.46 2422.43,9924.46 2422.43,9809.46 2872.43,9809.46 2872.43,9854.46 2702.43,9854.46 2702.42,10069.46
  region net 12V: 2887.43,9994.46 2872.9,9994.46 2872.9,9879.46 2752.43,9879.46 2752.43,10126.59 2601.4,10126.59 2601.4,10461.24 2887.42,10461.24
  region net GND: 3424.69,10461.24 2900.46,10461.24 2900.46,9784.46 2867.43,9784.46 2867.43,9744.46 2907.43,9744.46 2957.43,9694.46 2957.43,9314.46 2892.43,9314.46 2892.43,9134.46 2812.43,9054.46 2422.43,9054.46 2422.43,8830 2999.52,8830 2999.52,9252 3424.69,9252
Bottom Layer:
  pour cut-out: 1870.08,10084.72 2396.13,10084.72 2396.13,9507.91 1870.08,9507.55

## Silkscreen, mask and mechanical layers (free items; w line width, h text height)
Top Overlay:
  lines w10: 1811.02,7570 3561.81,7570 3561.81,10821.09
  text "Z2" at 4354.33,10724.41 h40
  text "R13" at 5060.99,10492.13 h40
  text "R14" at 5060.99,10433.07 h40
  text "IC4" at 4606.3,10386.88 h40 r90
  text "C12" at 5064.93,10362.2 h40
  text "D6" at 4334.65,10287.4 h40
  text "C13" at 5076.74,10283.46 h40
  text "C17" at 4486.06,10200 h40
  text "R2" at 5098.43,10133.86 h40
  text "R3" at 5228.35,10133.86 h40
  text "C18" at 4889.76,10102 h40
  text "R15" at 4169.29,10088.55 h40 r90
  text "C16" at 4503.94,10058 h40
  text "C19" at 4891.7,10042.25 h40
  text "RELAY1" at 5437.01,10035.43 h40
  text "C20" at 4625.98,10011.6 h40
  text "C21" at 4767.72,10011.81 h40
  text "D7" at 4287.4,9610.24 h40
  text "Z2" at 4354.33,9269.02 h40
  text "R13" at 5060.99,9036.74 h40
  text "R14" at 5060.99,8977.68 h40
  text "IC4" at 4606.3,8931.49 h40 r90
  text "C12" at 5064.93,8906.82 h40
  text "D6" at 4334.65,8832.01 h40
  text "12V" at 2673.23,8830.71 h40 r90
  text "5V" at 2773.23,8830.71 h40 r90
  text "SCL" at 2873.23,8830.71 h40 r90
  text "SDA" at 2973.23,8830.71 h40 r90
  text "C13" at 5076.74,8828.08 h40
  text "C17" at 4486.06,8744.61 h40
  text "R2" at 5098.43,8678.47 h40
  text "R3" at 5228.35,8678.47 h40
  text "C18" at 4889.76,8646.61 h40
  text "R15" at 4169.29,8633.16 h40 r90
  text "C16" at 4503.94,8602.61 h40
  text "C19" at 4891.7,8586.86 h40
  text "RELAY1" at 5437.01,8580.04 h40
  text "C20" at 4625.98,8556.21 h40
  text "C21" at 4767.72,8556.42 h40
  text "D7" at 4287.4,8154.85 h40
  text "Z2" at 4354.33,7813.63 h40
  text "R13" at 5060.99,7581.35 h40
  text "R14" at 5060.99,7522.29 h40
  text "IC4" at 4606.3,7476.11 h40 r90
  text "C12" at 5064.93,7451.43 h40
  text "D6" at 4334.65,7376.62 h40
  text "C13" at 5076.74,7372.69 h40
  text "C17" at 4486.06,7289.22 h40
  text "R2" at 5098.43,7223.08 h40
  text "R3" at 5228.35,7223.08 h40
  text "C18" at 4889.76,7191.22 h40
  text "R15" at 4169.29,7177.77 h40 r90
  text "C16" at 4503.94,7147.22 h40
  text "C19" at 4891.7,7131.48 h40
  text "RELAY1" at 5437.01,7124.66 h40
  text "C20" at 4625.98,7100.82 h40
  text "C21" at 4767.72,7101.03 h40
  text "D7" at 4287.4,6699.46 h40
  text "SMART OUTLET / r002" at 2177.17,6676.7 h118.11
  text "Z2" at 4354.33,6358.24 h40
  text "R13" at 5060.99,6125.96 h40
  text "R14" at 5060.99,6066.91 h40
  text "IC4" at 4606.3,6020.72 h40 r90
  text "C12" at 5064.93,5996.04 h40
  text "D6" at 4334.65,5921.24 h40
  text "C13" at 5076.74,5917.3 h40
  text "C17" at 4486.06,5833.83 h40
  text "R2" at 5098.43,5767.69 h40
  text "R3" at 5228.35,5767.69 h40
  text "C18" at 4889.76,5735.83 h40
  text "R15" at 4169.29,5722.39 h40 r90
  text "C16" at 4503.94,5691.83 h40
  text "C19" at 4891.7,5676.09 h40
  text "RELAY1" at 5437.01,5669.27 h40
  text "C21" at 4767.72,5645.65 h40
  text "C20" at 4625.98,5645.43 h40
  text "D7" at 4287.4,5244.07 h40
Bottom Overlay:
  text "C14" at 4364.99,10440.94 h40
  text "C15" at 4507.87,10440.94 h40
  text "R1_CH1" at 6019.69,10330.71 h40
  text "R17" at 4194.52,9958.64 h40
  text "R16" at 4194.52,9887.64 h40
  text "D8" at 4452.76,9854.33 h40
  text "Q1" at 4161.42,9775.59 h40
  text "R18" at 4194.52,9667.64 h40
  text "R19" at 4263.78,9346.46 h40
  text "C14" at 4364.99,8985.56 h40
  text "C15" at 4507.87,8985.56 h40
  text "R1_CH1" at 6019.69,8885.83 h40
  text "R17" at 4194.52,8503.25 h40
  text "R16" at 4194.52,8432.25 h40
  text "D8" at 4460.63,8401.57 h40
  text "Q1" at 4161.42,8320.2 h40
  text "R18" at 4194.52,8212.25 h40
  text "R19" at 4263.78,7891.07 h40
  text "C14" at 4364.99,7530.17 h40
  text "C15" at 4507.87,7530.17 h40
  text "R1_CH1" at 6015.75,7417.32 h40
  text "R17" at 4194.52,7047.86 h40
  text "R16" at 4194.52,6976.86 h40
  text "D8" at 4460.63,6944.88 h40
  text "Q1" at 4161.42,6864.81 h40
  text "R18" at 4194.52,6756.86 h40
  text "R19" at 4263.78,6435.68 h40
  text "C14" at 4364.99,6074.78 h40
  text "C15" at 4507.87,6074.78 h40
  text "R1_CH1" at 6015.75,5972.44 h40
  text "R17" at 4194.52,5592.47 h40
  text "R16" at 4194.52,5521.47 h40
  text "D8" at 4460.63,5488.19 h40
  text "Q1" at 4161.42,5409.43 h40
  text "R18" at 4194.52,5301.47 h40
  text "R19" at 4188.98,5137.8 h40 r90
Drill Drawing:
  lines w10: 1811.02,6611.32 3151.58,6615.15 3145.59,4566.93 6220.47,4566.93 6220.47,10826.77 1811.02,10826.77 1811.02,6611.32

## Dimensions
6102.36,4685.04 to 6220.47,4566.93 on Mechanical 1
6102.36,4685.04 to 6220.47,4566.93 on Mechanical 1
6102.36,10708.66 to 6220.47,10826.77 on Mechanical 1
6220.47,10826.77 to 6102.36,10708.66 on Mechanical 1
1811.02,10826.77 to 3937.01,10708.66 on Mechanical 1
3267.72,5511.81 to 3145.59,4566.93 on Mechanical 1
3151.58,6615.15 to 3267.72,6614.17 on Mechanical 1
1929.13,6732.28 to 1811.02,6611.32 on Mechanical 1
1929.13,6732.28 to 1811.02,6611.32 on Mechanical 1
1811.02,10826.77 to 1811.02,6611.32 on Mechanical 1
1929.13,10236.22 to 1811.02,10826.77 on Mechanical 1
1929.13,10236.22 to 1811.02,10826.77 on Mechanical 1
1811.02,6611.32 to 3151.58,6615.15 on Mechanical 1
3151.58,6615.15 to 3145.59,4566.93 on Mechanical 1
6220.47,10826.77 to 6220.47,4566.93 on Mechanical 1
1811.02,10826.77 to 6220.47,10826.77 on Mechanical 1